# Altium PCB WunderBar_v102b.PcbDoc (part 4 of 7)
Units mil, origin at the board's own origin, x right, y up, seen from the top; angles counter-clockwise.
Board outline 4556.01 x 1552 mil, 4 copper layers (Top, Route2, Route15, Bottom), stack 52.756 mil thick; 380 components, 258 nets, 1400 pads, 528 vias.
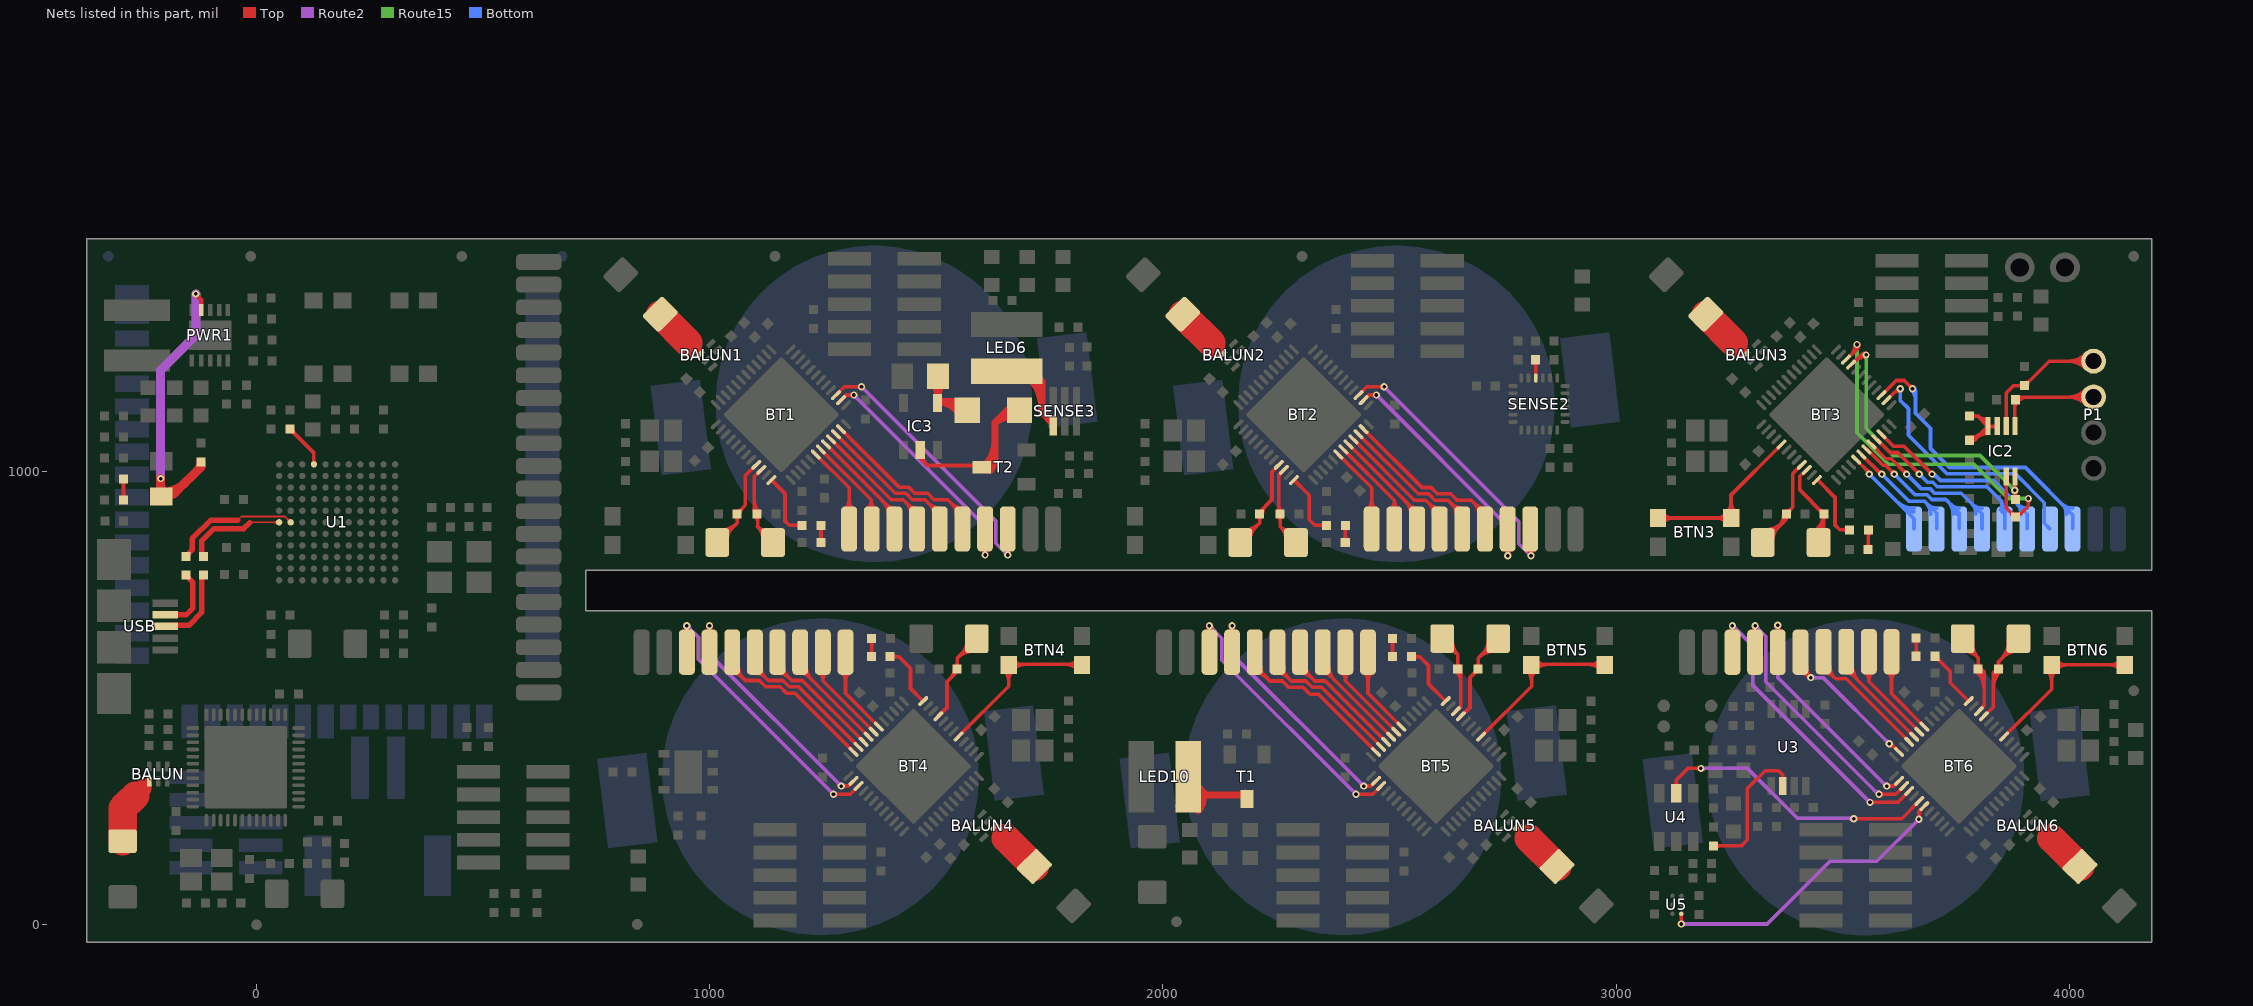
[diagram p6: the nets of this part, all layers, seen from the top]

## Via types
v1: diameter 16, hole 8, Top to Bottom, tented both sides, 282 vias
v2: diameter 24, hole 12, Top to Bottom, tented both sides, 135 vias
v3: diameter 14, hole 6, Top to Bottom, tented both sides, 34 vias
v4: diameter 48/41/41/48 (per signal layer), hole 32, Top to Bottom, 30 vias
v5: diameter 16, hole 8, Top to Route2, tented top, 18 vias
v6: diameter 21/21/21/21 (per signal layer), hole 12, Top to Bottom, tented both sides, 15 vias
v7: diameter 24, hole 12, Top to Route2, tented top, 12 vias
v8: diameter 21/21/21/21 (per signal layer), hole 12, Top to Bottom, 1 vias
v9: diameter 24, hole 8, Top to Bottom, tented both sides, 1 vias

## Nets (pads, with @x,y where several pads share a name; then routed paths per layer and width w, separated by ;. In a path a pad name is that pad's centre, name@x,y a point inside that pad or via, vN(x,y) a via of type N, cw(c..) or ccw(c..) an arc to the next point about the centre after c; other vN are vias at no path point) (continued)
NetIC3_2: IC3.2 LED13.K T2.3 | length 607.4
  Top w8: IC3.2@1464.48,1044.48 1464.48,1028.48 1480.48,1013.48 1606.48,1013.48 T2.3@1610.48,1009.48 ; IC3.2@1470.48,1034.67 ccw(c1499.89,1035.62) 1479.76,1014.15 ; 1573.68,1013.48 cw(c1573.68,975.68) T2.3@1600.41,1002.41 ; T2.3@1600.41,1016.55 cw(c1592.99,1023.97) 1592.99,1013.48 cw(c1592.99,994.99) T2.3@1606.07,1008.07
  Top w16: T2.3@1607.24,1013.72 ccw(c1553.54,1067.42) 1629.48,1067.42 ; T2.3@1610.48,1009.48 1629.48,1028.48 1629.48,1107.48 ; T2.3@1617.48,1009.48 cw(c1634.38,1009.48) 1622.43,1021.43 ; T2.3@1618.55,1002.41 ccw(c1592.17,1028.79) 1629.48,1028.79 ; 1646.57,1124.57 cw(c1669.71,1101.43) LED13.K@1681.98,1131.77 ; LED13.K@1675.98,1116.94 ccw(c1659.88,1077.09) 1629.48,1107.48 ; LED13.K@1683.48,1135.48 1657.48,1135.48 1629.48,1107.48
NetIC3_4: IC3.4 L2.1 LED13.A | length 296.1
  Top w16: L2.1@1492.54,1195.17 cw(c1466.12,1168.75) IC3.4@1503.48,1168.75 ; IC3.4@1503.48,1166.96 cw(c1543.37,1166.96) L2.1@1515.16,1195.17 ; L2.1@1503.48,1210.48 1503.48,1156.48 IC3.4@1501.48,1154.48 ; 1528.93,1154.48 cw(c1528.93,1113.13) LED13.A@1564.91,1133.51 ; LED13.A@1550.99,1125.62 ccw(c1501.48,1097.58) IC3.4@1501.48,1154.48 ; LED13.A@1568.48,1135.48 1549.48,1154.48 IC3.4@1501.48,1154.48
NetLED10_C: LED10.C T1.3 | length 511
  Top w16: LED10.C@2035.55,322.94 cw(c2046.2,300.78) LED10.C@2063.8,317.95 ; LED10.C@2042.48,308.52 cw(c2056.37,279.59) LED10.C@2079.35,302 ; LED10.C@2049.4,294.1 cw(c2066.55,258.4) 2094.9,286.05 ; LED10.C@2055.48,326.48 2094.48,286.48 T1.3@2185.48,286.48 ; LED10.C@2055.58,275.49 ccw(c2030.56,300.93) LED10.C@2056.11,325.84 ; LED10.C@2060.65,321.18 cw(c2034.73,295.9) LED10.C@2070.93,295.45 ; LED10.C@2066.81,264.09 ccw(c2041.83,289.47) LED10.C@2067.33,314.33 ; LED10.C@2070.9,308.95 cw(c2071.37,306.22) LED10.C@2073.35,308.15 ; LED10.C@2073.59,293.17 cw(c2077.58,269.69) 2094.64,286.32 ; LED10.C@2078.03,252.68 ccw(c2053.11,278.01) LED10.C@2078.55,302.82 ; T1.3@2181.24,282.24 ccw(c2170.99,271.99) 2170.99,286.48 ccw(c2170.99,300.97) T1.3@2181.24,290.72
NetPWR1_9: PWR1.9 R56.1 R72.1 | length 804.2
  Top w10: v1@-134.06,1391.02 -122.52,1379.48 PWR1.9@-122.52,1356.48
  Top w20: R72.1@-217.59,951.77 ccw(c-232.25,966.42) -211.52,966.42 ; -211.52,971.25 ccw(c-183.96,971.25) R72.1@-203.45,951.77 ; v1(-211.52,984.48) -211.52,936.63 -210.52,935.63 R72.1@-210.52,948.48 ; R72.1@-205.52,954.7 ccw(c-205.52,1020.4) -159.06,973.94 ; R72.1@-199.45,952.64 ccw(c-190,965) -179,954 ; R72.1@-196,941.62 cw(c-179,936.13) -179,954 ; R72.1@-196,954 -179,954 ; -130.3,1002.7 ccw(c-149.08,1021.48) R56.1@-122.52,1021.48 -122.52,1010.48 -179,954
  Route2 w20: v1(-211.52,984.48) -211.52,1223.48 -134,1301 v1(-134,1392)
NetR30_2: R30.2 U1.A4 | length 133.8
  Top w8: R30.2@73.93,1087.81 cw(c73.93,1073.33) 84.17,1083.57 cw(c94.42,1093.81) R30.2@79.93,1093.81 ; R30.2@73.93,1093.81 126.57,1041.17 U1.A4@126.57,1015.93 ; U1.A4@124.45,1018.05 ccw(c119.33,1023.17) 126.57,1023.17 ccw(c133.81,1023.17) U1.A4@128.69,1018.05
NetR51_1: R51.1 R53.2 | length 91.9
  Top w8: R53.2@-297.95,941.53 ccw(c-308.23,951.81) -293.68,951.81 ; R51.1@-297.93,979.45 cw(c-308.17,969.21) -293.68,969.21 cw(c-279.2,969.21) R51.1@-289.44,979.45 ; R53.2@-293.7,937.29 R51.1@-293.69,983.7 ; -293.68,951.73 ccw(c-279.26,951.73) R53.2@-289.46,941.53
NetR62_2: R62.2 U3.2 | length 355.2
  Top w8: R62.2@3214.3,173.99 3275.99,173.99 3289.48,187.48 3289.48,300.48 3329,340 3358,340 3367.6,330.4 U3.2@3367.6,306.32 ; R62.2@3218.54,169.75 cw(c3228.78,159.51) 3228.78,173.99 cw(c3228.78,188.48) R62.2@3218.54,178.24 ; U3.2@3364.59,321.08 ccw(c3357.34,328.33) 3367.6,328.33 ccw(c3377.86,328.33) U3.2@3370.6,321.08
NetR70_1: R70.1 USB.2_D- | length 145.8
  Top w12: USB.2_D-@-201.52,684.07 -154.93,684.07 -141,698 -141,756.33 R70.1@-156,771.33
NetR71_1: R71.1 USB.3_D+ | length 175.7
  Top w12: USB.3_D+@-202.52,660.48 -149.52,660.48 -121,689 R71.1@-121,771.33
OPAMP_SHDW: BT6.18 U4.5 | length 723.5
  Top w8: U4.5@3126.89,304.45 ccw(c3113.55,317.78) 3132.41,317.78 ccw(c3151.27,317.78) U4.5@3137.94,304.45 ; U4.5@3132.41,290.07 3132.41,319.41 3158,345 v1(3187,345) ; v1@3184.17,342.17 ccw(c3177.34,335.34) 3177.34,345 ccw(c3177.34,354.66) v1@3184.17,347.83 ; v5@3524,234.09 3629.96,234.09 BT6.18@3668.79,272.92 ; v5@3526.83,231.17 cw(c3533.89,224.12) 3533.89,234.09 ; v5@3526.83,236.83 ccw(c3533.43,243.43) 3533.43,234.09
  Route2 w8: v1(3187,345) 3290,345 3400.09,234.91 3523.09,234.91 v5(3524,234) ; v1@3189.83,342.17 cw(c3196.66,335.34) 3196.66,345 cw(c3196.66,354.66) v1@3189.83,347.83 ; 3512.16,234.91 cw(c3512.16,222.16) v5@3521.17,231.17
P0.01E: BT3.5 PAD50.1 | length 306.4
  Top w8: BT3.5@3529.63,1026.39 v1@3558.86,997.16 ; 3549.46,1006.56 cw(c3537.37,994.47) v1@3554.47,994.47
  Bottom w8: v1@3558.47,990.47 cw(c3558.47,980.81) 3565.3,987.64 cw(c3572.13,994.47) v1@3562.47,994.47 ; v1(3558.47,994.47) 3657.13,895.8 PAD50.1@3657.13,873.48 ; 3616.72,936.22 ccw(c3657.13,976.64) PAD50.1@3657.13,919.48 ; 3630.37,922.56 ccw(c3657.13,949.33) PAD50.1@3657.13,911.48
P0.02: BT1.6 PAD3.1 | length 245.9
  Top w8: BT1.6@1233.95,1037.7 1307.48,964.17 PAD3.1@1307.48,873.48 ; PAD3.1@1297.93,915.53 ccw(c1274.89,938.57) 1307.48,938.57 ccw(c1340.07,938.57) PAD3.1@1317.03,915.53
P0.02B: BT2.6 PAD20.1 | length 245.9
  Top w8: BT2.6@2386.95,1037.7 2460.48,964.17 PAD20.1@2460.48,873.48 ; PAD20.1@2450.93,915.53 ccw(c2427.89,938.57) 2460.48,938.57 ccw(c2493.07,938.57) PAD20.1@2470.03,915.53
P0.02C: BT4.6 PAD30.1 | length 245.9
  Top w8: PAD30.1@1289.93,559.43 cw(c1266.89,536.39) 1299.48,536.39 cw(c1332.07,536.39) PAD30.1@1309.03,559.43 ; PAD30.1@1299.48,601.48 1299.48,510.79 BT4.6@1373.01,437.26
P0.02D: BT5.6 PAD40.1 | length 245.9
  Top w8: PAD40.1@2442.93,559.43 cw(c2419.89,536.39) 2452.48,536.39 cw(c2485.07,536.39) PAD40.1@2462.03,559.43 ; PAD40.1@2452.48,601.48 2452.48,510.79 BT5.6@2526.01,437.26
P0.02E: BT3.6 PAD41.1 | length 331.9
  Top w8: BT3.6@3540.95,1037.7 3584.18,994.47 v1(3586.11,994.47) ; 3575.98,1002.67 ccw(c3586.11,1012.8) v1@3586.11,998.47
  Bottom w8: v1@3586.11,990.47 cw(c3586.11,980.81) 3592.94,987.64 cw(c3599.77,994.47) v1@3590.11,994.47 ; v1(3586.11,994.47) 3646.01,934.57 3680.39,934.57 3707.13,907.83 PAD41.1@3707.13,873.48 ; 3682.78,932.18 cw(c3656.58,905.98) PAD41.1@3693.63,905.98 ; 3687.24,927.72 ccw(c3707.13,947.61) PAD41.1@3707.13,919.48
P0.02F: BT6.6 PAD53.1 | length 297.6
  Top w8: PAD53.1@3607.66,602.48 3607.66,509.61 BT6.6@3680.01,437.26 ; 3607.66,537.38 cw(c3640.25,537.38) 3617.21,560.43 ccw(c3640.25,537.38) 3607.66,537.38 ; 3607.66,537.38 ccw(c3575.07,537.38) 3598.11,560.43 cw(c3575.07,537.38) 3607.66,537.38
P0.04: BT1.8 PAD5.1 | length 316.3
  Top w8: BT1.8@1256.31,1060.06 1407.48,908.89 PAD5.1@1407.48,873.48 ; 1382.38,933.99 cw(c1354.37,905.98) PAD5.1@1393.98,905.98 ; 1389.4,926.97 ccw(c1407.48,945.05) PAD5.1@1407.48,919.48 ; PAD5.1@1396.04,920.33 cw(c1381.68,905.98) PAD5.1@1401.98,905.98
P0.04B: BT2.8 PAD12.1 | length 316.3
  Top w8: BT2.8@2409.31,1060.06 2560.48,908.89 PAD12.1@2560.48,873.48 ; 2535.38,933.99 cw(c2507.37,905.98) PAD12.1@2546.98,905.98 ; 2542.4,926.97 ccw(c2560.48,945.05) PAD12.1@2560.48,919.48 ; PAD12.1@2549.04,920.33 cw(c2534.68,905.98) PAD12.1@2554.98,905.98
P0.04C: BT4.8 PAD22.1 | length 316.3
  Top w8: PAD22.1@1199.48,555.48 cw(c1199.48,529.91) 1217.56,547.99 ; PAD22.1@1199.48,601.48 1199.48,566.07 BT4.8@1350.65,414.9 ; PAD22.1@1204.98,568.98 ccw(c1225.28,568.98) PAD22.1@1210.92,554.63 ; PAD22.1@1212.98,568.98 ccw(c1252.59,568.98) 1224.58,540.97
P0.04D: BT5.8 PAD32.1 | length 352.3
  Top w8: PAD32.1@2352.48,555.48 cw(c2352.48,529.91) 2370.56,547.99 ; PAD32.1@2352.48,565.48 PAD32.1@2352.48,601.48 2352.48,566.07 BT5.8@2503.65,414.9 ; PAD32.1@2357.98,568.98 ccw(c2378.28,568.98) PAD32.1@2363.92,554.63 ; PAD32.1@2365.98,568.98 ccw(c2405.59,568.98) 2377.58,540.97
P0.04E: BT3.8 PAD43.1 | length 422.2
  Top w8: BT3.8@3563.31,1060.06 3595.08,1028.28 3607.03,1028.28 v1(3640.85,994.47) ; v1@3636.85,994.47 ccw(c3627.19,994.47) 3634.02,1001.3 ccw(c3640.85,1008.13) v1@3640.85,998.47
  Bottom w8: v1@3640.85,990.47 cw(c3640.85,980.81) 3647.68,987.64 cw(c3654.5,994.47) v1@3644.85,994.47 ; v1(3640.85,994.47) 3672.84,962.48 3692.39,962.48 3702.39,952.48 3761.48,952.48 3807.13,906.83 PAD43.1@3807.13,873.48 ; 3783.49,930.47 cw(c3759,905.98) PAD43.1@3793.63,905.98 ; 3785.53,928.43 ccw(c3807.13,950.03) PAD43.1@3807.13,919.48
P0.04F: BT6.8 PAD55.1 | length 417.7
  Top w8: PAD55.1@3507.62,602.48 3507.62,564.93 BT6.8@3657.65,414.9 ; PAD55.1@3508.41,572.35 cw(c3500.24,547.75) 3525.28,554.46 ; PAD55.1@3507.62,556.48 cw(c3507.62,536.07) 3522.05,550.5 ccw(c3507.62,536.07) PAD55.1@3507.62,556.48 ; PAD55.1@3513.12,569.98 ccw(c3538.59,569.98) 3520.58,551.97 cw(c3538.59,569.98) PAD55.1@3513.12,569.98 ; PAD55.1@3521.12,569.98 ccw(c3565.9,569.98) 3534.24,538.31 cw(c3565.9,569.98) PAD55.1@3521.12,569.98
P0.05: BT1.9 PAD6.1 | length 343.1
  Top w8: BT1.9@1267.44,1071.19 1400.64,938 1427,938 1457.48,907.52 PAD6.1@1457.48,873.48 ; 1433.35,931.65 cw(c1407.67,905.98) PAD6.1@1443.98,905.98 ; 1437.06,927.94 ccw(c1457.48,948.36) PAD6.1@1457.48,919.48
P0.05B: BT2.9 PAD13.1 | length 342.5
  Top w8: BT2.9@2420.44,1071.19 2554.64,937 2580,937 2610.48,906.52 PAD13.1@2610.48,873.48 ; 2587.05,929.95 cw(c2563.09,905.98) PAD13.1@2596.98,905.98 ; 2588.36,928.64 ccw(c2610.48,950.77) PAD13.1@2610.48,919.48
P0.05C: BT4.9 PAD23.1 | length 341.3
  Top w8: PAD23.1@1149.48,555.48 cw(c1149.48,519.17) 1175.15,544.85 ; PAD23.1@1149.48,601.48 1149.48,570.52 1181,539 1204.28,539 BT4.9@1339.52,403.77 ; PAD23.1@1162.98,568.98 ccw(c1191.86,568.98) 1171.44,548.56
P0.05D: BT5.9 PAD33.1 | length 341.3
  Top w8: PAD33.1@2302.48,555.48 cw(c2302.48,519.17) 2328.15,544.85 ; PAD33.1@2302.48,601.48 2302.48,570.52 2335,538 2358.28,538 2471.94,424.34 BT5.9@2492.52,403.77 ; PAD33.1@2315.98,568.98 ccw(c2344.86,568.98) 2324.44,548.56
P0.05E: BT3.9 PAD49.1 | length 470.8
  Top w8: BT3.9@3574.44,1071.19 3603.45,1042.19 3621.13,1042.19 v1(3668.85,994.47) ; v1@3664.85,994.47 ccw(c3655.19,994.47) 3662.02,1001.3 ccw(c3668.85,1008.13) v1@3668.85,998.47
  Bottom w8: v1@3668.85,990.47 cw(c3668.85,980.81) 3675.68,987.64 cw(c3682.5,994.47) v1@3672.85,994.47 ; v1(3668.85,994.47) 3686.84,976.48 3698.52,976.48 3708.52,966.48 3818.48,966.48 3850.48,934.48 ; PAD49.1@3847.59,915.53 ccw(c3840.6,922.51) PAD49.1@3850.48,922.51 ; PAD49.1@3850.48,923.17 ccw(c3863.21,923.17) PAD49.1@3858.97,911.17 ; PAD49.1@3857.13,873.48 3857.13,905.83 3850.48,912.48 3850.48,934.48 ; PAD49.1@3861.63,918.71 cw(c3867.21,934.48) 3850.48,934.48
P0.05F: BT6.9 PAD56.1 | length 440.8
  Top w8: PAD56.1@3455.15,569.51 ccw(c3475.89,573.43) 3470.43,553.04 ; PAD56.1@3457.61,602.48 3457.61,569.39 3484.43,542.57 3507.71,542.57 BT6.9@3646.52,403.77 ; PAD56.1@3458.14,572.42 cw(c3453.4,550.89) 3474.69,556.6 ; PAD56.1@3457.61,556.48 cw(c3457.61,525.3) 3479.66,547.34 ccw(c3457.61,525.3) PAD56.1@3457.61,556.48 ; PAD56.1@3471.11,569.98 ccw(c3505.11,569.98) 3481.07,545.93 cw(c3505.11,569.98) PAD56.1@3471.11,569.98
P0.06: BT1.10 PAD7.1 | length 385.4
  Top w8: BT1.10@1278.58,1082.33 1409,951.91 1432.76,951.91 1446.67,938 1475,938 1507.48,905.52 PAD7.1@1507.48,873.48 ; 1483.65,929.35 ccw(c1507.48,953.18) PAD7.1@1507.48,919.48 ; 1484.76,928.24 cw(c1462.5,905.98) PAD7.1@1493.98,905.98
P0.06B: BT2.10 PAD19.1 | length 385.4
  Top w8: BT2.10@2431.58,1082.33 2563,950.91 2585.76,950.91 2599.67,937 2629,937 2660.48,905.52 PAD19.1@2660.48,873.48 ; 2636.65,929.35 ccw(c2660.48,953.18) PAD19.1@2660.48,919.48 ; 2637.76,928.24 cw(c2615.5,905.98) PAD19.1@2646.98,905.98
P0.06C: BT4.10 PAD29.1 | length 385.9
  Top w8: PAD29.1@1099.48,555.48 cw(c1099.48,524) 1121.74,546.26 ; PAD29.1@1099.48,601.48 1099.48,568.52 1129,539 1161.33,539 1175.24,525.09 1195.92,525.09 BT4.10@1328.38,392.63 ; PAD29.1@1112.98,568.98 ccw(c1146.68,568.98) 1122.85,545.15
P0.06D: BT5.10 PAD39.1 | length 385.9
  Top w8: PAD39.1@2252.48,555.48 cw(c2252.48,524) 2274.74,546.26 ; PAD39.1@2252.48,601.48 2252.48,568.52 2283,538 2315.33,538 2329.24,524.09 2349.92,524.09 BT5.10@2481.38,392.63 ; PAD39.1@2265.98,568.98 ccw(c2299.68,568.98) 2275.85,545.15
P0.06E: BT3.10 PAD44.1 | length 509.6
  Top w8: BT3.10@3585.58,1082.33 3611.81,1056.09 3635.22,1056.09 v1(3696.85,994.47) ; v1@3692.85,994.47 ccw(c3683.19,994.47) 3690.02,1001.3 ccw(c3696.85,1008.13) v1@3696.85,998.47
  Bottom w8: v1@3696.85,990.47 cw(c3696.85,969.83) 3711.44,984.42 ; v1(3696.85,994.47) 3701.4,994.47 3715.48,980.39 3832.57,980.39 3907.13,905.83 PAD44.1@3907.13,873.48 ; 3883.83,929.13 ccw(c3907.13,952.44) PAD44.1@3907.13,919.48 ; 3884.2,928.76 cw(c3861.41,905.98) PAD44.1@3893.63,905.98
P0.07: BT1.11 PAD8.1 | length 428.8
  Top w8: BT1.11@1289.71,1093.47 1417.37,965.81 1438.52,965.81 1452.43,951.91 1480.76,951.91 1494.67,938 1525,938 1557.48,905.52 PAD8.1@1557.48,873.48 ; 1533.65,929.35 ccw(c1557.48,953.18) PAD8.1@1557.48,919.48 ; 1534.76,928.24 cw(c1512.5,905.98) PAD8.1@1543.98,905.98
P0.07B: BT2.11 PAD14.1 | length 429.4
  Top w8: BT2.11@2442.71,1093.47 2571.37,964.81 2591.52,964.81 2605.43,950.91 2634.76,950.91 2648.67,937 2680,937 2710.48,906.52 PAD14.1@2710.48,873.48 ; 2687.05,929.95 cw(c2663.09,905.98) PAD14.1@2696.98,905.98 ; 2688.36,928.64 ccw(c2710.48,950.77) PAD14.1@2710.48,919.48
P0.07C: BT4.11 PAD24.1 | length 429.4
  Top w8: PAD24.1@1049.48,555.48 cw(c1049.48,524) 1071.74,546.26 ; PAD24.1@1049.48,601.48 1049.48,568.52 1079,539 1109.33,539 1123.33,525 1155.67,525 1169.48,511.19 1187.55,511.19 BT4.11@1317.25,381.49 ; PAD24.1@1062.98,568.98 ccw(c1096.68,568.98) 1072.85,545.15
P0.07D: BT5.11 PAD34.1 | length 442.9
  Top w8: PAD34.1@2202.48,555.48 cw(c2202.48,516.76) 2229.86,544.14 ; PAD34.1@2202.48,563.48 cw(c2202.48,544.07) PAD34.1@2216.2,557.8 ; PAD34.1@2202.48,601.48 2202.48,571.52 2236,538 2263,538 2277,524 2309,524 2324,509 2342.74,509 2449,402.74 BT5.11@2470.25,381.49 ; PAD34.1@2215.98,568.98 ccw(c2242.44,568.98) 2223.73,550.27
P0.07F: BT6.11 PAD57.1 | length 469
  Top w8: PAD57.1@3406.59,555.48 cw(c3406.59,524.35) v5@3428.6,546.36 ; PAD57.1@3406.59,601.48 3406.59,568.37 v5(3429.48,545.48) cw(c3452.17,568.17) PAD57.1@3420.09,568.74 ; 3420.6,550.98 cw(c3415.23,541.66) v5@3425.62,544.45 ; 3421.95,550.2 ccw(c3426.23,557.61) v5@3428.44,549.34 ; v5@3425.48,545.48 ccw(c3415.82,545.48) 3422.65,552.31 ccw(c3429.48,559.14) v5@3429.48,549.48 ; v5@3425.62,546.52 ccw(c3416.29,549.01) 3424.65,553.84 ccw(c3433.02,558.67) v5@3430.52,549.34 ; v5@3602.48,395.48 cw(c3602.48,376.7) BT6.11@3615.76,389.98 ; v5(3602.48,399.48) 3606.26,399.48 BT6.11@3624.25,381.49
  Route2 w8: v5(3429.48,545.48) 3456.48,545.48 v5(3602.48,399.48) ; v5@3432.31,542.65 cw(c3439.14,535.82) 3439.14,545.48 cw(c3439.14,555.14) v5@3432.31,548.31 ; v5@3598.48,399.48 ccw(c3588.82,399.48) 3595.65,406.31 ccw(c3602.48,413.14) v5@3602.48,403.48
P0.08: BT1.14 PAD9.1 | length 693
  Top w8: BT1.14@1289.71,1157.49 1301.22,1169 v5(1318,1169) ; BT1.14@1296.79,1164.57 cw(c1307.49,1153.86) 1307.49,1169 ; v5@1315.17,1166.17 ccw(c1308.34,1159.34) 1308.34,1169 ccw(c1308.34,1178.66) v5@1315.17,1171.83 ; PAD9.1@1600.08,829.69 cw(c1591.12,816) v1(1607.48,816) ; v1@1604.23,818.33 ccw(c1598.56,822.38) 1605.29,824.18 ccw(c1612.02,825.98) v1@1609.14,819.64 ; v1@1604.65,818.83 ccw(c1597.82,825.66) 1607.48,825.66 ccw(c1617.14,825.66) v1@1610.31,818.83 ; v1@1605.83,819.64 ccw(c1602.94,825.98) 1609.67,824.18 ccw(c1616.4,822.38) v1@1610.73,818.33 ; PAD9.1@1607.48,873.48 v1(1607.48,816) ; PAD9.1@1614.88,829.69 ccw(c1623.84,816) v1(1607.48,816)
  Route2 w8: v5@1318,1165 cw(c1318,1155.34) 1324.83,1162.17 cw(c1331.66,1169) v5@1322,1169 ; v5(1318,1169) 1607.48,879.52 v1(1607.48,816) ; v1@1604.65,818.83 ccw(c1597.82,825.66) 1607.48,825.66 ccw(c1617.14,825.66) v1@1610.31,818.83
P0.08B: BT2.14 PAD15.1 | length 707.6
  Top w8: BT2.14@2442.71,1157.49 2454.22,1169 v5(2471,1169) ; BT2.14@2449.79,1164.57 cw(c2460.49,1153.86) 2460.49,1169 ; v5@2468.17,1166.17 ccw(c2461.34,1159.34) 2461.34,1169 ccw(c2461.34,1178.66) v5@2468.17,1171.83 ; PAD15.1@2752.72,829.93 cw(c2741.52,814) v1(2761,814) ; v1@2757.54,816 ccw(c2749.18,820.83) 2758.5,823.33 ccw(c2767.83,825.83) v1@2763,817.46 ; v1@2758.17,816.83 ccw(c2751.34,823.66) 2761,823.66 ccw(c2770.66,823.66) v1@2763.83,816.83 ; v1@2759,817.46 ccw(c2754.17,825.83) 2763.5,823.33 ccw(c2772.82,820.83) v1@2764.46,816 ; PAD15.1@2761,872.96 v1(2761,814) ; PAD15.1@2768.91,830.43 ccw(c2782.04,814) v1(2761,814)
  Route2 w8: v5@2471,1165 cw(c2471,1155.34) 2477.83,1162.17 cw(c2484.66,1169) v5@2475,1169 ; v5(2471,1169) 2761,879 v1(2761,814) ; v1@2758.17,816.83 ccw(c2751.34,823.66) 2761,823.66 ccw(c2770.66,823.66) v1@2763.83,816.83
P0.08C: BT4.14 PAD25.1 | length 701.9
  Top w8: PAD25.1@991.71,645.02 ccw(c981.16,660) v1(999.48,660) ; v1@996.04,657.96 cw(c988.09,653.23) 997.03,650.84 cw(c1005.96,648.44) v1@1001.44,656.51 ; v1@996.65,657.17 cw(c989.82,650.34) 999.48,650.34 cw(c1009.14,650.34) v1@1002.31,657.17 ; v1@997.52,656.51 cw(c993,648.44) 1001.93,650.84 cw(c1010.87,653.23) v1@1002.92,657.96 ; PAD25.1@999.48,601.48 v1(999.48,660) ; PAD25.1@1007.25,645.02 cw(c1017.8,660) v1(999.48,660) ; v5(1290,306) 1305.78,306 BT4.14@1317.25,317.47 ; v5@1292.83,303.17 cw(c1299.66,296.34) 1299.66,306 cw(c1299.66,315.66) v5@1292.83,308.83 ; 1299.57,306 ccw(c1299.57,321) BT4.14@1310.17,310.39
  Route2 w8: v1@996.65,657.17 cw(c989.82,650.34) 999.48,650.34 cw(c1009.14,650.34) v1@1002.31,657.17 ; v1(999.48,660) 999.48,596.52 v5(1290,306) ; v5@1286,306 ccw(c1276.34,306) 1283.17,312.83 ccw(c1290,319.66) v5@1290,310
P0.08D: BT5.14 PAD35.1 | length 701.9
  Top w8: PAD35.1@2144.71,645.02 ccw(c2134.16,660) v1(2152.48,660) ; v1@2149.04,657.96 cw(c2141.09,653.23) 2150.03,650.84 cw(c2158.96,648.44) v1@2154.44,656.51 ; v1@2149.65,657.17 cw(c2142.82,650.34) 2152.48,650.34 cw(c2162.14,650.34) v1@2155.31,657.17 ; v1@2150.52,656.51 cw(c2146,648.44) 2154.93,650.84 cw(c2163.87,653.23) v1@2155.92,657.96 ; PAD35.1@2152.48,601.48 v1(2152.48,660) ; PAD35.1@2160.25,645.02 cw(c2170.8,660) v1(2152.48,660) ; v5(2443,306) 2458.78,306 BT5.14@2470.25,317.47 ; v5@2445.83,303.17 cw(c2452.66,296.34) 2452.66,306 cw(c2452.66,315.66) v5@2445.83,308.83 ; 2452.57,306 ccw(c2452.57,321) BT5.14@2463.17,310.39
  Route2 w8: v1@2149.65,657.17 cw(c2142.82,650.34) 2152.48,650.34 cw(c2162.14,650.34) v1@2155.31,657.17 ; v1(2152.48,660) 2152.48,596.52 v5(2443,306) ; v5@2439,306 ccw(c2429.34,306) 2436.17,312.83 ccw(c2443,319.66) v5@2443,310
P0.08E: BT3.14 PAD45.1 | length 607.4
  Top w8: BT3.14@3596.71,1157.49 3622.22,1183 v1(3627,1183) ; 3612.01,1172.79 cw(c3627,1157.8) v1@3627,1179
  Bottom w8: v1@3624.17,1180.17 cw(c3617.34,1173.34) 3627,1173.34 cw(c3636.66,1173.34) v1@3629.83,1180.17 ; v1(3627,1183) 3627,1156.96 3645,1138.96 3645,1079.96 3729.96,995 3880.96,995 3944.48,931.48 3944.48,886.13 PAD45.1@3957.13,873.48
P0.08F: BT6.14 PAD58.1 | length 681.1
  Top w8: PAD58.1@3348.46,644.77 ccw(c3336.28,661) v1(3356.57,661) ; v1@3353.11,659 cw(c3344.74,654.17) 3354.07,651.67 cw(c3363.4,649.17) v1@3358.57,657.54 ; v1@3353.74,658.17 cw(c3346.91,651.34) 3356.57,651.34 cw(c3366.23,651.34) v1@3359.4,658.17 ; v1@3354.57,657.54 cw(c3349.74,649.17) 3359.07,651.67 cw(c3368.4,654.17) v1@3360.03,659 ; PAD58.1@3356.57,601.48 v1(3356.57,661) ; PAD58.1@3364.68,644.77 cw(c3376.86,661) v1(3356.57,661) ; v5(3597,306) 3612.78,306 BT6.14@3624.25,317.47 ; v5@3599.83,303.17 cw(c3606.66,296.34) 3606.66,306 cw(c3606.66,315.66) v5@3599.83,308.83 ; 3606.57,306 ccw(c3606.57,321) BT6.14@3617.17,310.39
  Route2 w8: v1@3353.74,658.17 cw(c3346.91,651.34) 3356.57,651.34 cw(c3366.23,651.34) v1@3359.4,658.17 ; v1(3356.57,661) 3356.57,545.43 v5@3596.5,305.5 ; 3588.46,313.54 ccw(c3597,322.07) v5@3597,310
P0.09: BT1.15 PAD10.1 | length 744
  Top w8: BT1.15@1278.58,1168.63 1296.85,1186.91 v5(1334.91,1186.91) ; v5@1332.08,1184.08 ccw(c1325.25,1177.25) 1325.25,1186.91 ccw(c1325.25,1196.56) v5@1332.08,1189.73 ; PAD10.1@1650.08,829.69 cw(c1641.12,816) v1(1657.48,816) ; v1@1654.23,818.33 ccw(c1648.56,822.38) 1655.29,824.18 ccw(c1662.02,825.98) v1@1659.14,819.64 ; v1@1654.65,818.83 ccw(c1647.82,825.66) 1657.48,825.66 ccw(c1667.14,825.66) v1@1660.31,818.83 ; v1@1655.83,819.64 ccw(c1652.94,825.98) 1659.67,824.18 ccw(c1666.4,822.38) v1@1660.73,818.33 ; PAD10.1@1657.48,873.48 v1(1657.48,816) ; PAD10.1@1664.88,829.69 ccw(c1673.84,816) v1(1657.48,816)
  Route2 w8: v5@1334.91,1182.91 cw(c1334.91,1173.25) 1341.73,1180.08 cw(c1348.56,1186.91) v5@1338.91,1186.91 ; v5(1334.91,1186.91) 1631,890.81 1631,842.04 v1@1657.47,815.57 ; 1649.91,823.14 ccw(c1657.48,830.71) v1@1657.48,820 ; 1650.96,822.08 cw(c1644.88,816) v1@1653.48,816
P0.09B: BT2.15 PAD16.1 | length 757.3
  Top w8: BT2.15@2431.58,1168.63 2449.85,1186.91 v5(2487.91,1186.91) ; v5@2485.08,1184.08 ccw(c2478.25,1177.25) 2478.25,1186.91 ccw(c2478.25,1196.56) v5@2485.08,1189.73 ; PAD16.1@2803.35,829.51 cw(c2793.68,813.96) v1(2812,814) cw(c2834.96,813.96) PAD16.1@2819.54,830.98 ; v1@2808.56,816.04 ccw(c2800.65,820.75) 2809.54,823.13 ccw(c2818.39,825.51) v1@2813.94,817.5 ; v1@2809.17,816.83 ccw(c2802.34,823.66) 2812,823.66 ccw(c2821.66,823.66) v1@2814.83,816.83 ; v1@2810,817.46 ccw(c2805.15,825.86) 2814.52,823.35 ; v1(2812,814) PAD16.1@2812,871.96 ; 2814.5,823.3 ccw(c2823.8,820.81) v1@2815.46,816